# Altium PCB XTIDA-010086.PcbDoc (part 16 of 17)
Units mm, origin at the board's own origin, x right, y up, seen from the top; angles counter-clockwise.
Board outline 375 x 210 mm, 6 copper layers (Top Layer, GND Layer, Signal Layer 1, Signal Layer 2, Power Layer, Bottom Layer), stack 1.575 mm thick; 1884 components, 1036 nets, 4948 pads, 6791 vias.
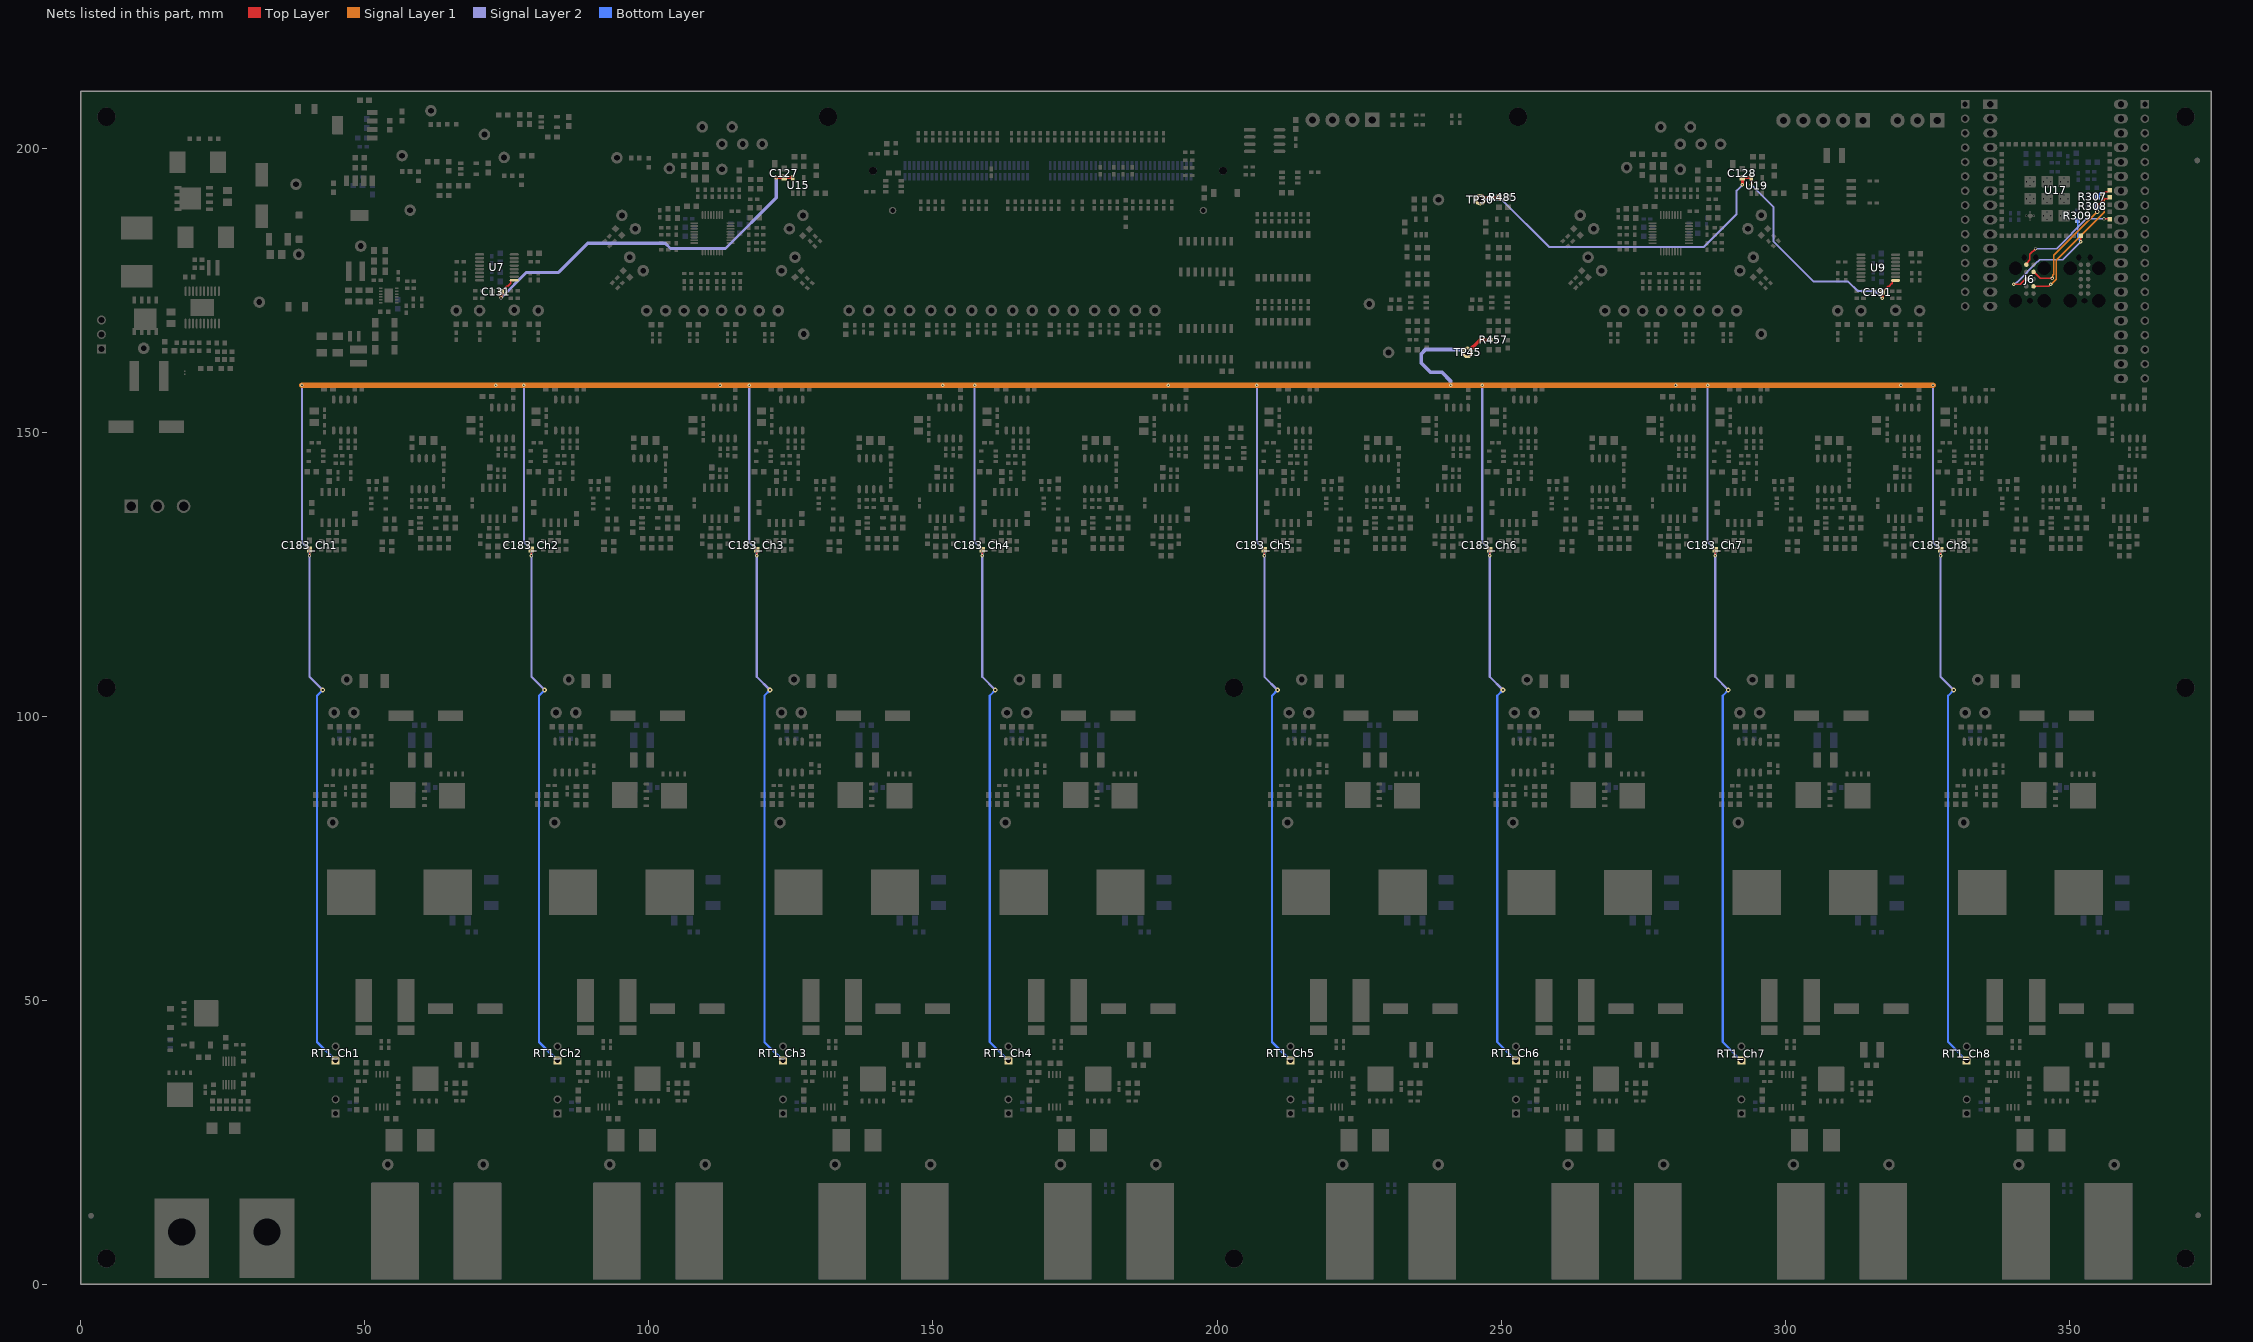
[diagram p20: the nets of this part, all layers, seen from the top]

## Via types
v1: diameter 0.813, hole 0.4, Top Layer to Bottom Layer, tented both sides, 4738 vias
v2: diameter 0.61, hole 0.3, Top Layer to Bottom Layer, tented both sides, 1254 vias
v3: diameter 0.813, hole 0.406, Top Layer to Bottom Layer, 728 vias
v4: diameter 0.5, hole 0.2, Top Layer to Bottom Layer, 40 vias
v5: diameter 5.45, hole 3.556, Top Layer to Bottom Layer, 16 vias
v6: diameter 5/3.65/3.65/3.65/3.65/5 (per signal layer), hole 3.2, Top Layer to Bottom Layer, 12 vias
v7: diameter 0.813, hole 0.4, Top Layer to Bottom Layer, 3 vias

## Nets (pads, with @x,y where several pads share a name; then routed paths per layer and width w, separated by ;. In a path a pad name is that pad's centre, name@x,y a point inside that pad or via, vN(x,y) a via of type N, cw(c..) or ccw(c..) an arc to the next point about the centre after c; other vN are vias at no path point) (continued)
Vref_2_50: C183_Ch1.2 C183_Ch2.2 C183_Ch3.2 C183_Ch4.2 C183_Ch5.2 C183_Ch6.2 C183_Ch7.2 C183_Ch8.2 R457.2 RT1_Ch1.1 RT1_Ch2.1 RT1_Ch3.1 RT1_Ch4.1 RT1_Ch5.1 RT1_Ch6.1 RT1_Ch7.1 RT1_Ch8.1 TP45.1 | length 1295.3
  Top Layer w0.254: v2(40.254,128.246) C183_Ch1.2@40.254,129.312 ; v2(79.319,128.244) C183_Ch2.2@79.319,129.31 ; v2(118.994,128.242) C183_Ch3.2@118.994,129.308 ; v2(158.669,128.24) C183_Ch4.2@158.669,129.306 ; v2(208.344,128.238) C183_Ch5.2@208.344,129.304 ; v2(248.019,128.236) C183_Ch6.2@248.019,129.302 ; v2(287.693,128.234) C183_Ch7.2@287.693,129.3 ; v2(327.368,128.232) C183_Ch8.2@327.368,129.298
  Top Layer w0.6: TP45.1@244.094,164.015 246.337,166.258 R457.2@248.147,166.258
  Signal Layer 1 w1: v2@38.92,158.217 73.025,158.217 77.986,158.217 v2(112.519,158.217) 117.66,158.217 v2(151.711,158.217) 157.335,158.217 191.42,158.217 207.01,158.217 v2(241.122,158.217) v2(280.721,158.217) v2(320.396,158.217) v2(326.034,158.217)
  Signal Layer 2 w0.381: v2(38.92,158.231) 38.92,130.595 40.254,129.262 v2(40.254,128.246) 40.254,106.913 v1(42.57,104.597) ; v2(77.986,158.229) 77.986,130.593 79.319,129.26 v2(79.319,128.244) 79.319,106.911 v1(81.636,104.595) ; v2(117.66,158.227) 117.66,130.591 118.994,129.258 v2(118.994,128.242) 118.994,106.909 v1(121.31,104.593) ; v2(157.335,158.225) 157.335,130.589 158.669,129.256 v2(158.669,128.24) 158.669,106.907 v1(160.985,104.591) ; v2(207.01,158.223) 207.01,130.587 208.344,129.254 v2(208.344,128.238) 208.344,106.905 v1(210.66,104.589) ; v2(246.685,158.221) 246.685,130.585 248.019,129.252 v2(248.019,128.236) 248.019,106.903 v1(250.335,104.587) ; v2(286.36,158.219) 286.36,130.583 287.693,129.25 v2(287.693,128.234) 287.693,106.901 v1(290.01,104.585) ; v2(326.034,158.217) 326.034,130.581 327.368,129.248 v2(327.368,128.232) 327.368,106.899 v1(329.684,104.583)
  Signal Layer 2 w0.7: v2(241.122,158.217) 241.122,159.004 239.598,160.528 237.566,160.528 235.951,162.143 235.951,163.75 236.728,164.527 243.582,164.527 TP45.1@244.094,164.015
  Bottom Layer w0.381: v1(42.57,104.597) 41.58,103.607 41.58,42.644 RT1_Ch1.1@44.856,39.368 ; v1(81.636,104.595) 80.645,103.605 80.645,42.642 RT1_Ch2.1@83.922,39.366 ; v1(121.31,104.593) 120.32,103.603 120.32,42.64 RT1_Ch3.1@123.596,39.364 ; v1(160.985,104.591) 159.995,103.601 159.995,42.638 RT1_Ch4.1@163.271,39.362 ; v1(210.66,104.589) 209.669,103.599 209.669,42.636 RT1_Ch5.1@212.946,39.36 ; v1(250.335,104.587) 249.344,103.597 249.344,42.634 RT1_Ch6.1@252.621,39.358 ; v1(290.01,104.585) 289.019,103.595 289.019,42.632 RT1_Ch7.1@292.296,39.356 ; v1(329.684,104.583) 328.694,103.593 328.694,42.63 RT1_Ch8.1@331.97,39.354
  other v2: 73.025,158.217 191.42,158.237
Vref_2_50_1: C127.2 C131.1 U7.9 U15.5 | length 67.6
  Top Layer w0.254: C131.1@73.962,174.669 73.987,174.669 74.368,175.05 74.368,175.075 74.988,175.695 75.146,175.695 75.549,176.098 75.688,176.098 75.688,176.621 75.779,176.712 U7.9@76.288,176.712
  Top Layer w0.508: C127.2@123.757,194.767 123.773,194.783 U15.5@125.347,194.783
  Top Layer w0.541: v2(73.962,173.602) C131.1@73.962,174.669 ; v2(122.411,194.767) 122.424,194.78 123.743,194.78 C127.2@123.757,194.767
  Signal Layer 2 w0.541: v2(73.962,173.602) 78.465,178.105 84.099,178.105 89.23,183.236 102.87,183.236 103.81,182.296 113.487,182.296 122.411,191.219 v2(122.411,194.767)
Vref_2_50_2: C128.2 C191.1 R485.1 TP30.1 U9.9 U19.5 | length 103.6
  Top Layer w0.254: C191.1@317.127,174.639 317.152,174.639 317.533,175.02 317.533,175.045 318.154,175.665 318.311,175.665 318.714,176.068 318.854,176.068 318.854,176.591 318.944,176.682 U9.9@319.454,176.682
  Top Layer w0.381: TP30.1@246.337,190.906 246.784,190.906 247.204,191.326 R485.1@249.624,191.326
  Top Layer w0.508: C128.2@292.456,194.759 C128.2@292.473,194.775 ; v2(292.473,193.531) C128.2@292.473,194.775 ; v2(294.046,193.531) U19.5@294.046,194.775 C128.2@292.473,194.775
  Top Layer w0.541: v2(317.127,173.572) C191.1@317.127,174.639
  Signal Layer 2 w0.381: TP30.1@246.337,190.906 250.139,190.906 258.47,182.575 285.668,182.575 291.467,188.375 291.467,192.464 292.473,193.469 v2(292.473,193.531) ; v2(294.046,193.531) 297.942,189.636 297.942,183.591 305.053,176.48 311.097,176.48 312.761,174.817 315.883,174.817 v2(317.127,173.572)
WIFI.JTAG_TCK: J6.4 R308.1 U17.21 | length 23.6
  Top Layer w0.254: J6.4@343.733,178.191 343.733,178.18 344.879,177.034 v2(347.02,177.034) ; v1(354.962,188.78) 354.975,188.793 354.975,189.832 356.172,191.029 356.874,191.029 U17.21@357.147,191.302
  Signal Layer 1 w0.254: v2(347.02,177.034) 347.088,177.102 347.088,177.607 347.269,177.787 347.269,181.086 v1(354.962,188.78)
  Bottom Layer w0.541: v1(354.962,188.78) R308.1@354.962,189.756
WIFI.JTAG_TDI: J6.8 R309.1 U17.12 | length 22.3
  Top Layer w0.254: v2(340.272,176.016) 341.411,176.016 J6.8@342.315,176.921 ; v2(352.048,183.512) U17.12@352.048,184.502
  Signal Layer 2 w0.254: v2(340.272,176.016) 340.368,176.016 340.749,176.397 340.871,176.397 344.425,179.951 344.436,179.951 344.85,180.365 348.901,180.365 v2(352.048,183.512)
  Bottom Layer w0.254: R309.1@351.473,187.272 351.473,184.183 352.048,183.608 v2(352.048,183.512)
WIFI.JTAG_TDO: J6.6 U17.18 | length 18.7
  Top Layer w0.254: J6.6@342.463,179.461 342.463,179.608 342.844,179.989 342.844,180.086 343.098,180.34 343.098,181.312 v2(344.082,182.296) ; v2(356.137,187.512) U17.18@357.127,187.512
  Signal Layer 2 w0.254: v2(344.082,182.296) 347.777,182.296 352.993,187.512 v2(356.137,187.512)
WIFI.JTAG_TMS: J6.2 R307.1 U17.22 | length 25.9
  Top Layer w0.254: J6.2@343.733,175.651 346.407,175.651 v2(346.773,176.016) ; v1(355.876,191.885) 356.028,191.885 356.441,192.299 356.874,192.299 U17.22@357.147,192.572
  Signal Layer 1 w0.254: v2(346.773,176.016) 346.828,176.016 347.726,176.914 347.726,180.238 356.137,188.65 356.137,191.132 355.983,191.286 355.983,191.779 v1(355.876,191.885)
  Bottom Layer w0.541: R307.1@354.962,191.376 355.585,191.999 355.698,191.885 v1(355.876,191.885)
pads on no net: FID1.1 FID2.1 FID3.1 FID4.1 FID5.1 FID6.1 H1.1 H2.1 H3.1 H4.1 H5.1 H6.1 H7.0 H8.0 H9.0 H10.0 H11.0 H12.0 H13.1 H14.1 H15.0 H16.0 H17.1 H18.0 H19.1 H20.0 J5. J5.2 J5.3 J5.4 J5.5 J5.6 J5.7 J5.8 J5.47 J5.51 J5.55 J5.76 J5.77 J5.78 J5.79 J5.80 J5.89 J5.95 J5.97 J5.113 J5.115 J5.116 J5.117 J5.118 J5.119 J5.120 J6. J6.7 J6.9 J7. J7.2 J7.4 LBL1.0 Q1_Ch1.9@56.282,84.681 Q1_Ch1.9@56.282,86.131 Q1_Ch1.9@56.282,87.581 Q1_Ch1.9@57.132,86.131 Q1_Ch1.9@58.062,84.681 Q1_Ch1.9@58.062,86.131 Q1_Ch1.9@58.062,87.581 Q1_Ch2.9@95.348,84.679 Q1_Ch2.9@95.348,86.129 Q1_Ch2.9@95.348,87.579 Q1_Ch2.9@96.198,86.129 Q1_Ch2.9@97.128,84.679 Q1_Ch2.9@97.128,86.129 Q1_Ch2.9@97.128,87.579 Q1_Ch3.9@135.022,84.677 Q1_Ch3.9@135.022,86.127 Q1_Ch3.9@135.022,87.577 Q1_Ch3.9@135.872,86.127 Q1_Ch3.9@136.802,84.677 Q1_Ch3.9@136.802,86.127 Q1_Ch3.9@136.802,87.577 Q1_Ch4.9@174.697,84.675 Q1_Ch4.9@174.697,86.125 Q1_Ch4.9@174.697,87.575 Q1_Ch4.9@175.547,86.125 Q1_Ch4.9@176.477,84.675 Q1_Ch4.9@176.477,86.125 Q1_Ch4.9@176.477,87.575 Q1_Ch5.9@224.372,84.673 Q1_Ch5.9@224.372,86.123 Q1_Ch5.9@224.372,87.573 Q1_Ch5.9@225.222,86.123 Q1_Ch5.9@226.152,84.673 Q1_Ch5.9@226.152,86.123 Q1_Ch5.9@226.152,87.573 Q1_Ch6.9@264.047,84.671 Q1_Ch6.9@264.047,86.121 Q1_Ch6.9@264.047,87.571 Q1_Ch6.9@264.897,86.121 Q1_Ch6.9@265.827,84.671 Q1_Ch6.9@265.827,86.121 Q1_Ch6.9@265.827,87.571 Q1_Ch7.9@303.722,84.669 Q1_Ch7.9@303.722,86.119 Q1_Ch7.9@303.722,87.569 Q1_Ch7.9@304.572,86.119 Q1_Ch7.9@305.502,84.669 Q1_Ch7.9@305.502,86.119 Q1_Ch7.9@305.502,87.569 Q1_Ch8.9@343.396,84.667 Q1_Ch8.9@343.396,86.117 Q1_Ch8.9@343.396,87.567 Q1_Ch8.9@344.246,86.117 Q1_Ch8.9@345.176,84.667 Q1_Ch8.9@345.176,86.117 Q1_Ch8.9@345.176,87.567 Q2.9@20.799,46.231 Q2.9@20.799,47.701 Q2.9@20.799,49.171 Q2.9@22.479,46.231 Q2.9@22.479,47.701 Q2.9@22.479,49.171 Q3.9@15.963,32.905 Q3.9@15.963,34.585 Q3.9@17.433,32.905 Q3.9@17.433,34.585 Q3.9@18.903,32.905 Q3.9@18.903,34.585 Q7_Ch1.9@63.879,85.596 Q7_Ch1.9@63.879,87.376 Q7_Ch1.9@65.329,85.596 Q7_Ch1.9@65.329,86.446 Q7_Ch1.9@65.329,87.376 Q7_Ch1.9@66.779,85.596 Q7_Ch1.9@66.779,87.376 Q7_Ch2.9@102.944,85.594 Q7_Ch2.9@102.944,87.374 Q7_Ch2.9@104.394,85.594 Q7_Ch2.9@104.394,86.444 Q7_Ch2.9@104.394,87.374 Q7_Ch2.9@105.844,85.594 Q7_Ch2.9@105.844,87.374 Q7_Ch3.9@142.619,85.592 Q7_Ch3.9@142.619,87.372 Q7_Ch3.9@144.069,85.592 Q7_Ch3.9@144.069,86.442 Q7_Ch3.9@144.069,87.372 Q7_Ch3.9@145.519,85.592 Q7_Ch3.9@145.519,87.372 Q7_Ch4.9@182.294,85.59 Q7_Ch4.9@182.294,87.37 Q7_Ch4.9@183.744,85.59 Q7_Ch4.9@183.744,86.44 Q7_Ch4.9@183.744,87.37 Q7_Ch4.9@185.194,85.59 Q7_Ch4.9@185.194,87.37 Q7_Ch5.9@231.968,85.588 Q7_Ch5.9@231.968,87.368 Q7_Ch5.9@233.418,85.588 Q7_Ch5.9@233.418,86.438 Q7_Ch5.9@233.418,87.368 Q7_Ch5.9@234.868,85.588 Q7_Ch5.9@234.868,87.368 Q7_Ch6.9@271.643,85.586 Q7_Ch6.9@271.643,87.366 Q7_Ch6.9@273.093,85.586 Q7_Ch6.9@273.093,86.436 Q7_Ch6.9@273.093,87.366 Q7_Ch6.9@274.543,85.586 Q7_Ch6.9@274.543,87.366 Q7_Ch7.9@311.318,85.584 Q7_Ch7.9@311.318,87.364 Q7_Ch7.9@312.768,85.584 Q7_Ch7.9@312.768,86.434 Q7_Ch7.9@312.768,87.364 Q7_Ch7.9@314.218,85.584 Q7_Ch7.9@314.218,87.364 Q7_Ch8.9@350.993,85.582 Q7_Ch8.9@350.993,87.362 Q7_Ch8.9@352.443,85.582 Q7_Ch8.9@352.443,86.432 Q7_Ch8.9@352.443,87.362 Q7_Ch8.9@353.893,85.582 Q7_Ch8.9@353.893,87.362 Q8_Ch1.9@59.211,34.874 Q8_Ch1.9@59.211,36.554 Q8_Ch1.9@60.681,34.874 Q8_Ch1.9@60.681,36.554 Q8_Ch1.9@62.151,34.874 Q8_Ch1.9@62.151,36.554 Q8_Ch2.9@98.276,34.872 Q8_Ch2.9@98.276,36.552 Q8_Ch2.9@99.746,34.872 Q8_Ch2.9@99.746,36.552 Q8_Ch2.9@101.216,34.872 Q8_Ch2.9@101.216,36.552 Q8_Ch3.9@137.951,34.87 Q8_Ch3.9@137.951,36.55 Q8_Ch3.9@139.421,34.87 Q8_Ch3.9@139.421,36.55 Q8_Ch3.9@140.891,34.87 Q8_Ch3.9@140.891,36.55 Q8_Ch4.9@177.625,34.868 Q8_Ch4.9@177.625,36.548 Q8_Ch4.9@179.095,34.868 Q8_Ch4.9@179.095,36.548 Q8_Ch4.9@180.565,34.868 Q8_Ch4.9@180.565,36.548 Q8_Ch5.9@227.3,34.866 Q8_Ch5.9@227.3,36.546 Q8_Ch5.9@228.77,34.866 Q8_Ch5.9@228.77,36.546 Q8_Ch5.9@230.24,34.866 Q8_Ch5.9@230.24,36.546 Q8_Ch6.9@266.975,34.864 Q8_Ch6.9@266.975,36.544 Q8_Ch6.9@268.445,34.864 Q8_Ch6.9@268.445,36.544 Q8_Ch6.9@269.915,34.864 Q8_Ch6.9@269.915,36.544 Q8_Ch7.9@306.65,34.862 Q8_Ch7.9@306.65,36.542 Q8_Ch7.9@308.12,34.862 Q8_Ch7.9@308.12,36.542 Q8_Ch7.9@309.59,34.862 Q8_Ch7.9@309.59,36.542 Q8_Ch8.9@346.325,34.86 Q8_Ch8.9@346.325,36.54 Q8_Ch8.9@347.795,34.86 Q8_Ch8.9@347.795,36.54 Q8_Ch8.9@349.265,34.86 Q8_Ch8.9@349.265,36.54 R58.1 R246.1 R248.1 S3.3 SH-J4.0 U8.4 U12.22 U13.4 U16.22 U17.3 U17.6 U17.7 U17.8 U17.9 U17.10 U17.11 U17.19 U17.20 U17.25 U17.26 U17.29 U17.31 U17.33 U17.36 U17.39 U17.41 U17.42 U17.44 U17.45 U17.46 U17.47 U17.48 U17.49 U17.50 U17.51 U17.52 U17.53 U17.54 U20.4 U21.13@54.204,173.38 U21.13@54.204,174.7 U22.2 U23.11 U26.14 U26.15 U27.14 U27.15 U31.2 U34.1
copper on no net:
  other v2: 280.751,137.402 360.1,137.398 327.584,156.606 248.234,156.61 287.909,156.608

## Polygon pours and split planes (outlines as drawn)
NetC9_Ch8_1 on Top Layer "NETC9_CH8_1_L01_P703" (solid, remove dead copper, pour order 703): 17 vertices, not listed, extent 342.638,33.641 354.602,56.222
NetC9_Ch7_1 on Top Layer "NETC9_CH7_1_L01_P702" (solid, remove dead copper, pour order 702): 17 vertices, not listed, extent 302.964,33.643 314.927,56.224
NetC9_Ch6_1 on Top Layer "NETC9_CH6_1_L01_P701" (solid, remove dead copper, pour order 701): 17 vertices, not listed, extent 263.289,33.645 275.252,56.226
NetC9_Ch5_1 on Top Layer "NETC9_CH5_1_L01_P700" (solid, remove dead copper, pour order 700): 17 vertices, not listed, extent 223.614,33.647 235.577,56.228
NetC9_Ch4_1 on Top Layer "NETC9_CH4_1_L01_P699" (solid, remove dead copper, pour order 699): 17 vertices, not listed, extent 173.939,33.649 185.903,56.23
NetC9_Ch3_1 on Top Layer "NETC9_CH3_1_L01_P698" (solid, remove dead copper, pour order 698): 17 vertices, not listed, extent 134.264,33.651 146.228,56.232
NetC9_Ch2_1 on Top Layer "NETC9_CH2_1_L01_P697" (solid, remove dead copper, pour order 697): 17 vertices, not listed, extent 94.59,33.653 106.553,56.234
PGND on Top Layer "PGND_L01_P679" (solid, remove dead copper, pour order 679): 39.37,208.432 39.37,192.245 37.389,190.264 37.389,149.581 33.506,145.698 16.908,145.698 14.379,143.095 14.275,126.467 1.956,126.467 0.965,127.457 0.965,207.95 2.057,209.042 38.76,209.042
AGND on Top Layer "AGND_L01_P673" (solid, remove dead copper, pour order 673): 68 vertices, not listed, extent 38.557,124.054 366.979,200.678
DGND on Top Layer "DGND_L01_P671" (solid, pour order 671): 72 vertices, not listed, extent 40.386,158.547 374.193,209.042
12V_IN on Top Layer "12V_IN_L01_P663" (solid, remove dead copper, pour order 663): 45 vertices, not listed, extent 4.699,135.23 47.828,171.874
DGND on Top Layer "DGND_L01_P646" (solid, remove dead copper, pour order 646): 17 vertices, not listed, extent 44.156,199.644 55.067,209.017
PGND on Top Layer "PGND_L01_P466" (solid, remove dead copper, pour order 466): 25 vertices, not listed, extent 347.562,0.85 364.948,107.479
NetC9_Ch1_1 on Top Layer "NETC9_CH1_1_L01_P450" (solid, remove dead copper, pour order 450): 17 vertices, not listed, extent 55.524,33.655 67.488,56.236
AGND on Top Layer "AGND_L01_P386" (solid, remove dead copper, pour order 386): 17.475,160.825 17.78,160.52 21.615,160.52 21.742,160.647 21.742,163.086 21.996,163.34 22.606,163.34 23.012,163.746 23.012,164.559 22.708,164.864 17.577,164.864 17.475,164.762
PGND on Top Layer "PGND_L01_P381" (solid, remove dead copper, pour order 381): 25 vertices, not listed, extent 25.222,0.965 39.522,86.538
NetD5_2 on Top Layer "NETD5_2_L01_P380" (solid, remove dead copper, pour order 380): 19 vertices, not listed, extent 1.6,36.195 19.837,52.299
12V_Out on Top Layer "12V_OUT_L01_P669" (solid, remove dead copper, pour order 669): 93 vertices, not listed, extent 11.43,42.824 346.253,139.319
-5V on Top Layer "-5V_L01_P665" (solid, remove dead copper, pour order 665): 50.592,184.175 48.606,184.175 47.879,183.449 47.879,181.686 48.971,180.594 48.971,176.497 49.116,176.352 51.968,176.352 52.019,176.403 52.019,177.546 52.121,177.648 52.121,182.647
PGND on Top Layer "PGND_L01_P465" (solid, remove dead copper, pour order 465): 25 vertices, not listed, extent 307.835,0.852 325.221,107.481
PGND on Top Layer "PGND_L01_P460" (solid, remove dead copper, pour order 460): 25 vertices, not listed, extent 268.18,0.854 285.566,107.483
PGND on Top Layer "PGND_L01_P459" (solid, remove dead copper, pour order 459): 25 vertices, not listed, extent 228.595,0.856 245.981,107.485
PGND on Top Layer "PGND_L01_P458" (solid, remove dead copper, pour order 458): 25 vertices, not listed, extent 178.929,0.858 196.316,107.487
PGND on Top Layer "PGND_L01_P457" (solid, remove dead copper, pour order 457): 25 vertices, not listed, extent 139.251,0.86 156.637,107.489
PGND on Top Layer "PGND_L01_P452" (solid, remove dead copper, pour order 452): 25 vertices, not listed, extent 99.543,0.862 116.929,107.491
AGND on Top Layer "AGND_L01_P661" (solid, remove dead copper, pour order 661): 35 vertices, not listed, extent 40.945,160.452 59.893,182.702
5V_D on Top Layer "5V_D_L01_P636" (solid, remove dead copper, pour order 636): 63.17,207.428 62.75,207.848 55.843,207.848 55.499,207.504 55.499,206.045 55.677,205.867 59.842,205.867 60.541,205.169 63.056,205.169 63.17,205.283
AGND on Top Layer "AGND_L01_P624" (solid, remove dead copper, pour order 624): 21 vertices, not listed, extent 43.713,187.111 54.889,197.079
DVDD on Top Layer "DVDD_L01_P366" (solid, remove dead copper, pour order 366): 216.738,188.154 216.535,187.951 206.774,187.951 206.578,188.146 206.578,189.856 206.731,190.008 216.614,190.008 216.738,189.884
DVDD on Top Layer "DVDD_L01_P365" (solid, remove dead copper, pour order 365): 216.738,172.796 216.535,172.593 206.774,172.593 206.578,172.789 206.578,174.498 206.731,174.65 216.614,174.65 216.738,174.527
PGND on Top Layer "PGND_L01_P451" (solid, remove dead copper, pour order 451): 25 vertices, not listed, extent 60.414,0.864 77.8,107.493
DGND on Top Layer "DGND_L01_P402" (solid, remove dead copper, pour order 402): 216.629,163.093 216.883,162.839 216.883,160.146 216.603,159.867 205.986,159.867 205.834,160.019 205.834,162.94 205.986,163.093
DGND on Top Layer "DGND_L01_P401" (solid, remove dead copper, pour order 401): 216.629,178.45 216.883,178.196 216.883,175.504 216.603,175.224 205.986,175.224 205.834,175.377 205.834,178.298 205.986,178.45
DVDD on Top Layer "DVDD_L01_P400" (solid, remove dead copper, pour order 400): 83.312,206.807 83.134,206.629 83.134,205.117 83.287,204.978 90.653,204.978 91.389,204.241 91.389,197.16 91.928,196.621 95.377,196.621 95.845,197.115 95.845,205.577 94.615,206.807
5V on Top Layer "5V_L01_P394" (solid, remove dead copper, pour order 394): 61.606,200.406 55.651,200.406 54.243,198.997 49.479,198.997 49.378,198.896 49.378,197.744 49.509,197.612 58.674,197.612 59.418,197.612 60.597,196.432 61.606,196.432
PGND on Top Layer "PGND_L01_P385" (solid, remove dead copper, pour order 385): 43 vertices, not listed, extent 13.246,149.243 33.782,192.118
NetF1_Ch8_2 on Top Layer "NETF1_CH8_2_L01_P695" (solid, remove dead copper, pour order 695): 17 vertices, not listed, extent 343.908,21.093 354.018,32.803
NetL2_Ch8_2 on Top Layer "NETL2_CH8_2_L01_P578" (solid, remove dead copper, pour order 578): 330.001,73.392 329.642,73.033 329.642,46.316 329.921,46.036 338.43,46.036 338.633,46.239 338.633,53.631 339.522,54.52 339.522,73.214 339.345,73.392
NetC3_Ch8_1 on Top Layer "NETC3_CH8_1_L01_P478" (solid, remove dead copper, pour order 478): 339.736,82.932 340.03,82.638 345.822,82.638 346.05,82.866 346.05,107.225 345.796,107.479 339.929,107.479 339.736,107.286
NetF1_Ch8_1 on Top Layer "NETF1_CH8_1_L01_P474" (solid, remove dead copper, pour order 474): 343.815,27.367 343.891,27.291 343.891,22.516 347.193,19.214 347.193,1.307 346.736,0.85 329.997,0.85 329.642,1.205 329.642,27.113 329.896,27.367
NetF1_Ch7_2 on Top Layer "NETF1_CH7_2_L01_P693" (solid, remove dead copper, pour order 693): 17 vertices, not listed, extent 304.234,21.095 314.343,32.805
NetL2_Ch7_2 on Top Layer "NETL2_CH7_2_L01_P572" (solid, remove dead copper, pour order 572): 290.274,73.394 289.915,73.035 289.915,46.318 290.194,46.038 298.703,46.038 298.907,46.241 298.907,53.633 299.796,54.522 299.796,73.216 299.618,73.394
NetC3_Ch7_1 on Top Layer "NETC3_CH7_1_L01_P477" (solid, remove dead copper, pour order 477): 300.01,82.934 300.304,82.64 306.095,82.64 306.323,82.868 306.323,107.227 306.069,107.481 300.202,107.481 300.01,107.288
NetF1_Ch7_1 on Top Layer "NETF1_CH7_1_L01_P473" (solid, remove dead copper, pour order 473): 304.088,27.369 304.164,27.293 304.164,22.518 307.466,19.216 307.466,1.309 307.009,0.852 290.271,0.852 289.915,1.207 289.915,27.115 290.169,27.369
NetF1_Ch6_2 on Top Layer "NETF1_CH6_2_L01_P691" (solid, remove dead copper, pour order 691): 17 vertices, not listed, extent 264.559,21.097 274.668,32.807
NetL2_Ch6_2 on Top Layer "NETL2_CH6_2_L01_P484" (solid, remove dead copper, pour order 484): 250.619,73.396 250.26,73.037 250.26,46.32 250.54,46.04 259.049,46.04 259.252,46.243 259.252,53.635 260.141,54.524 260.141,73.218 259.963,73.396
NetC3_Ch6_1 on Top Layer "NETC3_CH6_1_L01_P476" (solid, remove dead copper, pour order 476): 260.355,82.936 260.649,82.642 266.44,82.642 266.669,82.87 266.669,107.229 266.415,107.483 260.547,107.483 260.355,107.29
NetF1_Ch6_1 on Top Layer "NETF1_CH6_1_L01_P468" (solid, remove dead copper, pour order 468): 264.433,27.371 264.51,27.295 264.51,22.52 267.812,19.218 267.812,1.311 267.354,0.854 250.616,0.854 250.26,1.209 250.26,27.117 250.514,27.371
NetF1_Ch5_2 on Top Layer "NETF1_CH5_2_L01_P689" (solid, remove dead copper, pour order 689): 17 vertices, not listed, extent 224.884,21.099 234.993,32.809
NetL2_Ch5_2 on Top Layer "NETL2_CH5_2_L01_P483" (solid, remove dead copper, pour order 483): 211.034,73.398 210.675,73.039 210.675,46.322 210.955,46.042 219.464,46.042 219.667,46.245 219.667,53.637 220.556,54.526 220.556,73.22 220.378,73.398
NetC3_Ch5_1 on Top Layer "NETC3_CH5_1_L01_P475" (solid, remove dead copper, pour order 475): 220.77,82.938 221.064,82.644 226.855,82.644 227.084,82.872 227.084,107.231 226.83,107.485 220.962,107.485 220.77,107.292
NetF1_Ch5_1 on Top Layer "NETF1_CH5_1_L01_P467" (solid, remove dead copper, pour order 467): 224.849,27.373 224.925,27.297 224.925,22.522 228.227,19.22 228.227,1.313 227.77,0.856 211.031,0.856 210.675,1.211 210.675,27.119 210.929,27.373
NetF1_Ch4_2 on Top Layer "NETF1_CH4_2_L01_P687" (solid, remove dead copper, pour order 687): 17 vertices, not listed, extent 175.209,21.101 185.318,32.811
NetL2_Ch4_2 on Top Layer "NETL2_CH4_2_L01_P449" (solid, remove dead copper, pour order 449): 161.368,73.4 161.01,73.041 161.01,46.324 161.289,46.044 169.798,46.044 170.001,46.247 170.001,53.639 170.89,54.528 170.89,73.222 170.712,73.4
NetC3_Ch4_1 on Top Layer "NETC3_CH4_1_L01_P426" (solid, remove dead copper, pour order 426): 171.104,82.94 171.398,82.646 177.189,82.646 177.418,82.874 177.418,107.233 177.164,107.487 171.297,107.487 171.104,107.294
NetF1_Ch4_1 on Top Layer "NETF1_CH4_1_L01_P417" (solid, remove dead copper, pour order 417): 175.183,27.375 175.259,27.299 175.259,22.524 178.561,19.222 178.561,1.315 178.104,0.858 161.365,0.858 161.01,1.213 161.01,27.121 161.264,27.375
NetF1_Ch3_2 on Top Layer "NETF1_CH3_2_L01_P685" (solid, remove dead copper, pour order 685): 17 vertices, not listed, extent 135.534,21.182 145.644,32.891
NetL2_Ch3_2 on Top Layer "NETL2_CH3_2_L01_P441" (solid, remove dead copper, pour order 441): 121.69,73.402 121.331,73.043 121.331,46.326 121.61,46.046 130.119,46.046 130.322,46.249 130.322,53.641 131.211,54.53 131.211,73.224 131.034,73.402
NetC3_Ch3_1 on Top Layer "NETC3_CH3_1_L01_P425" (solid, remove dead copper, pour order 425): 131.425,82.942 131.719,82.648 137.511,82.648 137.739,82.876 137.739,107.235 137.485,107.489 131.618,107.489 131.425,107.296
NetF1_Ch3_1 on Top Layer "NETF1_CH3_1_L01_P409" (solid, remove dead copper, pour order 409): 135.504,27.377 135.58,27.301 135.58,22.526 138.882,19.224 138.882,1.317 138.425,0.86 121.686,0.86 121.331,1.215 121.331,27.123 121.585,27.377
NetF1_Ch2_2 on Top Layer "NETF1_CH2_2_L01_P683" (solid, remove dead copper, pour order 683): 17 vertices, not listed, extent 95.86,21.105 105.969,32.815
NetL2_Ch2_2 on Top Layer "NETL2_CH2_2_L01_P436" (solid, remove dead copper, pour order 436): 81.982,73.404 81.623,73.045 81.623,46.328 81.902,46.048 90.411,46.048 90.615,46.251 90.615,53.643 91.504,54.532 91.504,73.226 91.326,73.404
NetC3_Ch2_1 on Top Layer "NETC3_CH2_1_L01_P420" (solid, remove dead copper, pour order 420): 91.718,82.944 92.012,82.65 97.803,82.65 98.031,82.878 98.031,107.237 97.777,107.491 91.91,107.491 91.718,107.298
NetF1_Ch2_1 on Top Layer "NETF1_CH2_1_L01_P404" (solid, remove dead copper, pour order 404): 95.796,27.379 95.872,27.303 95.872,22.528 99.174,19.226 99.174,1.319 98.717,0.862 81.979,0.862 81.623,1.217 81.623,27.125 81.877,27.379
SW_Ch5 on Top Layer "SW_CH5_L01_P479" (solid, remove dead copper, pour order 479): 231.097,88.435 229.802,87.139 228.328,87.139 228.1,86.911 228.1,65.004 228.266,64.838 236.99,64.838 237.168,65.016 237.168,88.175 236.908,88.435
NetQ8_Ch8_4 on Top Layer "NETQ8_CH8_4_L01_P696" (solid, pour order 696): 349.567,32.803 349.42,32.656 349.42,31.853 349.849,31.424 353.303,31.424 353.628,31.748 353.628,32.539 353.364,32.803
NetQ8_Ch7_4 on Top Layer "NETQ8_CH7_4_L01_P694" (solid, pour order 694): 309.892,32.805 309.745,32.658 309.745,31.855 310.174,31.426 313.629,31.426 313.953,31.75 313.953,32.541 313.69,32.805
NetQ8_Ch6_4 on Top Layer "NETQ8_CH6_4_L01_P692" (solid, pour order 692): 270.218,32.807 270.071,32.66 270.071,31.857 270.499,31.428 273.954,31.428 274.278,31.752 274.278,32.543 274.015,32.807
NetQ8_Ch5_4 on Top Layer "NETQ8_CH5_4_L01_P690" (solid, pour order 690): 230.543,32.809 230.396,32.662 230.396,31.859 230.825,31.43 234.279,31.43 234.603,31.754 234.603,32.545 234.34,32.809
NetQ8_Ch4_4 on Top Layer "NETQ8_CH4_4_L01_P688" (solid, pour order 688): 180.868,32.811 180.721,32.664 180.721,31.861 181.15,31.432 184.604,31.432 184.928,31.756 184.928,32.547 184.665,32.811
NetQ8_Ch3_4 on Top Layer "NETQ8_CH3_4_L01_P686" (solid, pour order 686): 141.193,32.891 141.046,32.744 141.046,31.941 141.475,31.512 144.929,31.512 145.254,31.836 145.254,32.628 144.99,32.891
NetQ8_Ch2_4 on Top Layer "NETQ8_CH2_4_L01_P684" (solid, pour order 684): 101.518,32.815 101.371,32.668 101.371,31.865 101.8,31.436 105.255,31.436 105.579,31.76 105.579,32.551 105.316,32.815
NetQ8_Ch1_4 on Top Layer "NETQ8_CH1_4_L01_P682" (solid, pour order 682): 62.453,32.817 62.306,32.67 62.306,31.867 62.411,31.762 66.514,31.762 66.514,32.553 66.25,32.817
NetF1_Ch1_2 on Top Layer "NETF1_CH1_2_L01_P418" (solid, remove dead copper, pour order 418): 17 vertices, not listed, extent 56.794,21.107 66.904,32.817
NetC104_2 on Top Layer "NETC104_2_L01_P655" (solid, remove dead copper, pour order 655): 19 vertices, not listed, extent 46.152,174.422 53.162,180.492
NetC104_1 on Top Layer "NETC104_1_L01_P653" (solid, remove dead copper, pour order 653): 46.304,172.288 46.406,172.187 51.359,172.187 51.511,172.339 51.511,172.974 51.664,173.126 53.086,173.126 53.137,173.177 53.137,173.457 53.086,173.507 46.38,173.507 46.304,173.431
NetC152_1 on Top Layer "NETC152_1_L01_P651" (solid, remove dead copper, pour order 651): 23 vertices, not listed, extent 47.295,163.627 53.086,172.923
NetC141_1 on Top Layer "NETC141_1_L01_P634" (solid, remove dead copper, pour order 634): 57.261,205.185 57.261,204.352 57.099,204.191 50.317,204.191 50.165,204.343 50.165,205.308 57.137,205.308
10V on Top Layer "10V_L01_P630" (solid, remove dead copper, pour order 630): 50.14,208.849 50.332,209.042 53.213,209.042 53.434,208.821 53.434,206.037 53.213,205.816 50.241,205.816 50.14,205.918
NetC108_1 on Top Layer "NETC108_1_L01_P620" (solid, remove dead copper, pour order 620): 47.701,198.756 47.827,198.882 48.793,198.882 48.895,198.78 48.895,193.294 48.768,193.167 47.828,193.167 47.701,193.294
NetC138_1 on Top Layer "NETC138_1_L01_P584" (solid, remove dead copper, pour order 584): 79.945,206.541 81.571,206.541 81.737,206.375 81.737,205.283 81.661,205.207 79.959,205.207 74.764,205.207 74.625,205.345 74.625,206.375 74.791,206.541
SW_Ch8 on Top Layer "SW_CH8_L01_P482" (solid, remove dead copper, pour order 482): 350.063,88.429 348.768,87.133 347.295,87.133 347.066,86.905 347.066,64.998 347.232,64.832 355.956,64.832 356.134,65.01 356.134,88.169 355.874,88.429
SW_Ch7 on Top Layer "SW_CH7_L01_P481" (solid, remove dead copper, pour order 481): 310.337,88.431 309.041,87.135 307.568,87.135 307.339,86.907 307.339,65 307.505,64.834 316.229,64.834 316.407,65.012 316.407,88.171 316.147,88.431
SW_Ch6 on Top Layer "SW_CH6_L01_P480" (solid, remove dead copper, pour order 480): 270.682,88.433 269.386,87.137 267.913,87.137 267.685,86.909 267.685,65.002 267.85,64.836 276.575,64.836 276.752,65.014 276.752,88.173 276.492,88.433
SW_Ch4 on Top Layer "SW_CH4_L01_P434" (solid, remove dead copper, pour order 434): 181.431,88.437 180.136,87.141 178.663,87.141 178.434,86.913 178.434,65.006 178.6,64.84 187.324,64.84 187.502,65.018 187.502,88.177 187.242,88.437
SW_Ch3 on Top Layer "SW_CH3_L01_P433" (solid, remove dead copper, pour order 433): 141.752,88.439 140.457,87.143 138.984,87.143 138.755,86.915 138.755,65.008 138.921,64.842 147.645,64.842 147.823,65.02 147.823,88.179 147.563,88.439
SW_Ch2 on Top Layer "SW_CH2_L01_P428" (solid, remove dead copper, pour order 428): 102.045,88.441 100.749,87.145 99.276,87.145 99.047,86.917 99.047,65.01 99.213,64.844 107.937,64.844 108.115,65.022 108.115,88.181 107.855,88.441
NetL2_Ch1_2 on Top Layer "NETL2_CH1_2_L01_P435" (solid, remove dead copper, pour order 435): 42.853,73.406 42.494,73.047 42.494,46.33 42.774,46.05 51.283,46.05 51.486,46.253 51.486,53.645 52.375,54.534 52.375,73.228 52.197,73.406
SW_Ch1 on Top Layer "SW_CH1_L01_P427" (solid, remove dead copper, pour order 427): 62.916,88.443 61.62,87.147 60.147,87.147 59.919,86.919 59.919,65.012 60.084,64.846 68.809,64.846 68.986,65.024 68.986,88.183 68.726,88.443
NetC3_Ch1_1 on Top Layer "NETC3_CH1_1_L01_P419" (solid, remove dead copper, pour order 419): 52.589,82.946 52.883,82.652 58.674,82.652 58.903,82.88 58.903,107.239 58.649,107.493 52.781,107.493 52.589,107.3
NetF1_Ch1_1 on Top Layer "NETF1_CH1_1_L01_P403" (solid, remove dead copper, pour order 403): 56.667,27.381 56.744,27.305 56.744,22.53 60.046,19.228 60.046,1.321 59.588,0.864 42.85,0.864 42.494,1.219 42.494,27.127 42.748,27.381
AVDD on Top Layer "AVDD_L01_P399" (solid, remove dead copper, pour order 399): 75.804,196.727 78.021,196.727 78.242,196.948 78.242,200.189 77.996,200.435 69.454,200.435 68.997,199.978 68.997,196.986 69.256,196.727
NetC102_1 on Top Layer "NETC102_1_L01_P395" (solid, remove dead copper, pour order 395): 62.277,196.981 62.139,197.12 62.139,198.149 62.305,198.316 67.459,198.316 67.549,198.226 67.549,197.057 67.473,196.981
10V on Top Layer "10V_L01_P393" (solid, remove dead copper, pour order 393): 19 vertices, not listed, extent 34.595,180.022 47.219,195.275
10V_Gate on Top Layer "10V_GATE_L01_P391" (solid, remove dead copper, pour order 391): 24.041,169.931 24.232,170.122 27.559,170.122 28.042,169.639 28.042,163.892 27.94,163.791 26.201,163.791 26.162,163.83 26.162,167.603 25.794,167.971 24.414,167.971 24.041,168.344
10V_Gate on Top Layer "10V_GATE_L01_P390" (solid, remove dead copper, pour order 390): 18 vertices, not listed, extent 22.606,187.325 39.37,200.017
NetD10_2 on Top Layer "NETD10_2_L01_P384" (solid, remove dead copper, pour order 384): 23.622,179.723 23.622,186.327 23.978,186.682 26.924,186.682 27.102,186.505 27.102,177.691 26.899,177.488 23.739,177.488 23.638,177.589 23.622,177.605
NetD9_2 on Top Layer "NETD9_2_L01_P383" (solid, remove dead copper, pour order 383): 17 vertices, not listed, extent 6.756,183.888 21.234,200.322
NetC112_1 on Top Layer "NETC112_1_L01_P382" (solid, remove dead copper, pour order 382): 25 vertices, not listed, extent 6.756,172.56 20.091,186.682
NetD5_1 on Top Layer "NETD5_1_L01_P378" (solid, remove dead copper, pour order 378): 14.228,45.745 14.072,45.589 14.072,42.723 14.275,42.52 16.535,42.52 16.637,42.621 16.637,45.669 16.561,45.745
NetD6_2 on Top Layer "NETD6_2_L01_P376" (solid, remove dead copper, pour order 376): 17 vertices, not listed, extent 17.45,38.913 21.26,46.076
NetD6_1 on Top Layer "NETD6_1_L01_P373" (solid, remove dead copper, pour order 373): 17 vertices, not listed, extent 21.92,38.354 25.222,43.18
NetD7_1 on Top Layer "NETD7_1_L01_P371" (solid, remove dead copper, pour order 371): 20.701,36.855 20.523,36.678 20.523,34.722 20.828,34.417 22.327,34.417 22.454,34.544 22.454,35.81 22.584,35.941 23.851,35.941 23.927,36.017 23.927,36.806 23.878,36.855
12VP on Top Layer "12VP_L01_P369" (solid, remove dead copper, pour order 369): 24 vertices, not listed, extent 9.576,0.965 24.308,35.535
AGND on Bottom Layer "AGND_L06_P706" (solid, remove dead copper, pour order 706): 68 vertices, not listed, extent 38.557,124.054 366.979,200.678
DGND on Bottom Layer "DGND_L06_P705" (solid, remove dead copper, pour order 705): 69 vertices, not listed, extent -2168.75,158.445 374.193,209.042
PGND on Bottom Layer "PGND_L06_P681" (solid, remove dead copper, pour order 681): 39.37,208.432 39.37,192.245 37.389,190.264 37.389,130.124 33.731,126.467 1.956,126.467 0.965,127.457 0.965,207.95 2.057,209.042 38.76,209.042
NetD5_2 on Bottom Layer "NETD5_2_L06_P582" (solid, remove dead copper, pour order 582): 20 vertices, not listed, extent 1.6,36.195 19.837,52.299
NetC9_Ch2_1 on Bottom Layer "NETC9_CH2_1_L06_P446" (solid, remove dead copper, pour order 446): 17 vertices, not listed, extent 94.679,36.65 106.642,56.234
12V_Out on Bottom Layer "12V_OUT_L06_P554" (solid, remove dead copper, pour order 554): 86 vertices, not listed, extent 13.589,42.824 346.202,123.419
NetC9_Ch8_1 on Bottom Layer "NETC9_CH8_1_L06_P512" (solid, remove dead copper, pour order 512): 17 vertices, not listed, extent 342.682,36.634 354.646,56.217
NetC9_Ch7_1 on Bottom Layer "NETC9_CH7_1_L06_P511" (solid, remove dead copper, pour order 511): 17 vertices, not listed, extent 302.948,36.641 314.912,56.224
NetC9_Ch6_1 on Bottom Layer "NETC9_CH6_1_L06_P510" (solid, remove dead copper, pour order 510): 17 vertices, not listed, extent 263.263,36.644 275.226,56.227
NetC9_Ch5_1 on Bottom Layer "NETC9_CH5_1_L06_P509" (solid, remove dead copper, pour order 509): 17 vertices, not listed, extent 223.698,36.644 235.661,56.228
NetC9_Ch4_1 on Bottom Layer "NETC9_CH4_1_L06_P448" (solid, remove dead copper, pour order 448): 17 vertices, not listed, extent 174.045,36.647 186.008,56.23
NetC9_Ch3_1 on Bottom Layer "NETC9_CH3_1_L06_P447" (solid, remove dead copper, pour order 447): 17 vertices, not listed, extent 134.366,36.648 146.329,56.232
PGND on Bottom Layer "PGND_L06_P464" (solid, remove dead copper, pour order 464): 25 vertices, not listed, extent 347.572,0.845 364.958,107.474
PGND on Bottom Layer "PGND_L06_P463" (solid, remove dead copper, pour order 463): 25 vertices, not listed, extent 307.838,0.852 325.224,107.482
PGND on Bottom Layer "PGND_L06_P462" (solid, remove dead copper, pour order 462): 25 vertices, not listed, extent 268.153,0.855 285.539,107.484
PGND on Bottom Layer "PGND_L06_P461" (solid, remove dead copper, pour order 461): 25 vertices, not listed, extent 228.588,0.856 245.974,107.485
PGND on Bottom Layer "PGND_L06_P456" (solid, remove dead copper, pour order 456): 25 vertices, not listed, extent 178.934,0.858 196.321,107.488
PGND on Bottom Layer "PGND_L06_P455" (solid, remove dead copper, pour order 455): 25 vertices, not listed, extent 139.256,0.86 156.642,107.489
PGND on Bottom Layer "PGND_L06_P454" (solid, remove dead copper, pour order 454): 25 vertices, not listed, extent 99.568,0.862 116.954,107.491
AGND on Bottom Layer "AGND_L06_P568" (solid, remove dead copper, pour order 568): 36.5,164.592 38.557,166.649 38.557,174.498 38.786,174.727 42.176,174.727 42.621,174.281 42.621,161.636 41.453,160.468 17.459,160.468 17.043,160.884 17.043,163.932 17.704,164.592
PGND on Bottom Layer "PGND_L06_P544" (solid, remove dead copper, pour order 544): 25 vertices, not listed, extent 25.222,0.965 39.522,86.538
PGND on Bottom Layer "PGND_L06_P453" (solid, remove dead copper, pour order 453): 25 vertices, not listed, extent 60.414,0.864 77.8,107.493
NetC9_Ch1_1 on Bottom Layer "NETC9_CH1_1_L06_P445" (solid, remove dead copper, pour order 445): 17 vertices, not listed, extent 55.524,36.652 67.488,56.236
NetL2_Ch8_2 on Bottom Layer "NETL2_CH8_2_L06_P508" (solid, remove dead copper, pour order 508): 330.011,73.388 329.652,73.029 329.652,46.311 329.932,46.032 338.441,46.032 338.644,46.235 338.644,53.626 339.533,54.515 339.533,73.21 339.355,73.388
NetC3_Ch8_1 on Bottom Layer "NETC3_CH8_1_L06_P500" (solid, remove dead copper, pour order 500): 339.747,82.927 340.041,82.633 345.832,82.633 346.061,82.862 346.061,107.22 345.807,107.474 339.939,107.474 339.747,107.282
NetF1_Ch8_2 on Bottom Layer "NETF1_CH8_2_L06_P496" (solid, remove dead copper, pour order 496): 343.952,28.43 344.181,28.201 345.832,28.201 346.111,27.922 346.111,21.902 346.924,21.089 353.731,21.089 354.062,21.419 354.062,32.544 353.807,32.798 344.333,32.798 343.952,32.417
NetF1_Ch8_1 on Bottom Layer "NETF1_CH8_1_L06_P492" (solid, remove dead copper, pour order 492): 343.825,27.363 343.902,27.287 343.902,22.511 347.204,19.209 347.204,1.302 346.746,0.845 330.008,0.845 329.652,1.201 329.652,27.109 329.906,27.363
NetL2_Ch7_2 on Bottom Layer "NETL2_CH7_2_L06_P507" (solid, remove dead copper, pour order 507): 290.277,73.395 289.918,73.036 289.918,46.318 290.198,46.039 298.707,46.039 298.91,46.242 298.91,53.634 299.799,54.523 299.799,73.217 299.621,73.395
NetC3_Ch7_1 on Bottom Layer "NETC3_CH7_1_L06_P499" (solid, remove dead copper, pour order 499): 300.013,82.934 300.307,82.64 306.098,82.64 306.327,82.869 306.327,107.228 306.073,107.482 300.205,107.482 300.013,107.289
NetF1_Ch7_2 on Bottom Layer "NETF1_CH7_2_L06_P495" (solid, remove dead copper, pour order 495): 304.218,28.437 304.447,28.208 306.098,28.208 306.377,27.929 306.377,21.909 307.19,21.096 313.997,21.096 314.328,21.426 314.328,32.552 314.074,32.806 304.599,32.806 304.218,32.425
NetF1_Ch7_1 on Bottom Layer "NETF1_CH7_1_L06_P491" (solid, remove dead copper, pour order 491): 304.091,27.37 304.168,27.294 304.168,22.519 307.47,19.217 307.47,1.31 307.012,0.852 290.274,0.852 289.918,1.208 289.918,27.116 290.172,27.37
NetL2_Ch6_2 on Bottom Layer "NETL2_CH6_2_L06_P506" (solid, remove dead copper, pour order 506): 250.592,73.397 250.233,73.039 250.233,46.321 250.512,46.042 259.021,46.042 259.224,46.245 259.224,53.636 260.113,54.525 260.113,73.22 259.936,73.397
NetC3_Ch6_1 on Bottom Layer "NETC3_CH6_1_L06_P498" (solid, remove dead copper, pour order 498): 260.327,82.937 260.621,82.643 266.413,82.643 266.641,82.872 266.641,107.23 266.387,107.484 260.52,107.484 260.327,107.292
NetF1_Ch6_2 on Bottom Layer "NETF1_CH6_2_L06_P494" (solid, remove dead copper, pour order 494): 264.533,28.439 264.762,28.211 266.413,28.211 266.692,27.931 266.692,21.912 267.505,21.099 274.312,21.099 274.642,21.429 274.642,32.554 274.388,32.808 264.914,32.808 264.533,32.427
NetF1_Ch6_1 on Bottom Layer "NETF1_CH6_1_L06_P490" (solid, remove dead copper, pour order 490): 264.406,27.373 264.482,27.296 264.482,22.521 267.784,19.219 267.784,1.312 267.327,0.855 250.588,0.855 250.233,1.211 250.233,27.119 250.487,27.373
NetL2_Ch5_2 on Bottom Layer "NETL2_CH5_2_L06_P505" (solid, remove dead copper, pour order 505): 211.027,73.398 210.668,73.039 210.668,46.322 210.947,46.042 219.456,46.042 219.659,46.245 219.659,53.637 220.548,54.526 220.548,73.22 220.371,73.398
NetC3_Ch5_1 on Bottom Layer "NETC3_CH5_1_L06_P497" (solid, remove dead copper, pour order 497): 220.762,82.938 221.056,82.644 226.848,82.644 227.076,82.872 227.076,107.231 226.822,107.485 220.955,107.485 220.762,107.292
NetF1_Ch5_2 on Bottom Layer "NETF1_CH5_2_L06_P493" (solid, remove dead copper, pour order 493): 224.968,28.44 225.197,28.211 226.848,28.211 227.127,27.932 227.127,21.912 227.94,21.099 234.747,21.099 235.077,21.43 235.077,32.555 234.823,32.809 225.349,32.809 224.968,32.428
NetF1_Ch5_1 on Bottom Layer "NETF1_CH5_1_L06_P489" (solid, remove dead copper, pour order 489): 224.841,27.373 224.917,27.297 224.917,22.522 228.219,19.22 228.219,1.313 227.762,0.856 211.023,0.856 210.668,1.211 210.668,27.119 210.922,27.373
NetL2_Ch4_2 on Bottom Layer "NETL2_CH4_2_L06_P440" (solid, remove dead copper, pour order 440): 161.374,73.401 161.015,73.042 161.015,46.324 161.294,46.045 169.803,46.045 170.006,46.248 170.006,53.64 170.895,54.529 170.895,73.223 170.717,73.401
NetC3_Ch4_1 on Bottom Layer "NETC3_CH4_1_L06_P424" (solid, remove dead copper, pour order 424): 171.109,82.94 171.403,82.646 177.194,82.646 177.423,82.875 177.423,107.234 177.169,107.488 171.302,107.488 171.109,107.295
NetF1_Ch4_2 on Bottom Layer "NETF1_CH4_2_L06_P416" (solid, remove dead copper, pour order 416): 175.315,28.443 175.543,28.214 177.194,28.214 177.474,27.935 177.474,21.915 178.287,21.102 185.094,21.102 185.424,21.432 185.424,32.558 185.17,32.812 175.696,32.812 175.315,32.431
NetF1_Ch4_1 on Bottom Layer "NETF1_CH4_1_L06_P408" (solid, remove dead copper, pour order 408): 175.188,27.376 175.264,27.3 175.264,22.525 178.566,19.223 178.566,1.316 178.109,0.858 161.37,0.858 161.015,1.214 161.015,27.122 161.269,27.376
NetL2_Ch3_2 on Bottom Layer "NETL2_CH3_2_L06_P439" (solid, remove dead copper, pour order 439): 121.695,73.402 121.336,73.043 121.336,46.326 121.615,46.046 130.124,46.046 130.327,46.249 130.327,53.641 131.216,54.53 131.216,73.224 131.039,73.402
NetC3_Ch3_1 on Bottom Layer "NETC3_CH3_1_L06_P423" (solid, remove dead copper, pour order 423): 131.43,82.942 131.724,82.648 137.516,82.648 137.744,82.876 137.744,107.235 137.49,107.489 131.623,107.489 131.43,107.296
NetF1_Ch3_2 on Bottom Layer "NETF1_CH3_2_L06_P415" (solid, remove dead copper, pour order 415): 135.636,28.444 135.865,28.215 137.516,28.215 137.795,27.936 137.795,21.916 138.608,21.103 145.415,21.103 145.745,21.434 145.745,32.559 145.491,32.813 136.017,32.813 135.636,32.432
NetF1_Ch3_1 on Bottom Layer "NETF1_CH3_1_L06_P407" (solid, remove dead copper, pour order 407): 135.509,27.377 135.585,27.301 135.585,22.526 138.887,19.224 138.887,1.317 138.43,0.86 121.691,0.86 121.336,1.215 121.336,27.123 121.59,27.377
NetL2_Ch2_2 on Bottom Layer "NETL2_CH2_2_L06_P438" (solid, remove dead copper, pour order 438): 82.007,73.404 81.648,73.045 81.648,46.328 81.928,46.048 90.437,46.048 90.64,46.251 90.64,53.643 91.529,54.532 91.529,73.226 91.351,73.404
NetC3_Ch2_1 on Bottom Layer "NETC3_CH2_1_L06_P422" (solid, remove dead copper, pour order 422): 91.743,82.944 92.037,82.65 97.828,82.65 98.057,82.878 98.057,107.237 97.803,107.491 91.935,107.491 91.743,107.298
NetF1_Ch2_2 on Bottom Layer "NETF1_CH2_2_L06_P414" (solid, remove dead copper, pour order 414): 96.469,28.446 96.698,28.217 98.349,28.217 98.628,27.938 98.628,21.918 99.441,21.105 106.248,21.105 106.578,21.436 106.578,32.561 106.324,32.815 96.85,32.815 96.469,32.434
NetF1_Ch2_1 on Bottom Layer "NETF1_CH2_1_L06_P406" (solid, remove dead copper, pour order 406): 95.822,27.379 95.898,27.303 95.898,22.528 99.2,19.226 99.2,1.319 98.743,0.862 82.004,0.862 81.648,1.217 81.648,27.125 81.902,27.379
NetF1_Ch1_2 on Bottom Layer "NETF1_CH1_2_L06_P413" (solid, remove dead copper, pour order 413): 56.794,28.448 57.023,28.219 58.674,28.219 58.953,27.94 58.953,21.92 59.766,21.107 66.573,21.107 66.904,21.438 66.904,32.563 66.65,32.817 57.175,32.817 56.794,32.436
12VP on Bottom Layer "12VP_L06_P556" (solid, remove dead copper, pour order 556): 18 vertices, not listed, extent 9.576,0.965 24.308,35.535
SW_Ch8 on Bottom Layer "SW_CH8_L06_P504" (solid, remove dead copper, pour order 504): 21 vertices, not listed, extent 347.077,62.923 356.144,88.424
SW_Ch7 on Bottom Layer "SW_CH7_L06_P503" (solid, remove dead copper, pour order 503): 21 vertices, not listed, extent 307.343,62.93 316.41,88.432
SW_Ch6 on Bottom Layer "SW_CH6_L06_P502" (solid, remove dead copper, pour order 502): 21 vertices, not listed, extent 267.657,62.933 276.725,88.434
SW_Ch5 on Bottom Layer "SW_CH5_L06_P501" (solid, remove dead copper, pour order 501): 21 vertices, not listed, extent 228.092,62.933 237.16,88.435
SW_Ch4 on Bottom Layer "SW_CH4_L06_P432" (solid, remove dead copper, pour order 432): 21 vertices, not listed, extent 178.439,62.936 187.507,88.438
SW_Ch3 on Bottom Layer "SW_CH3_L06_P431" (solid, remove dead copper, pour order 431): 21 vertices, not listed, extent 138.76,62.937 147.828,88.439
SW_Ch2 on Bottom Layer "SW_CH2_L06_P430" (solid, remove dead copper, pour order 430): 21 vertices, not listed, extent 99.073,62.939 108.141,88.441
NetL2_Ch1_2 on Bottom Layer "NETL2_CH1_2_L06_P437" (solid, remove dead copper, pour order 437): 42.853,73.406 42.494,73.047 42.494,46.33 42.774,46.05 51.283,46.05 51.486,46.253 51.486,53.645 52.375,54.534 52.375,73.228 52.197,73.406
SW_Ch1 on Bottom Layer "SW_CH1_L06_P429" (solid, remove dead copper, pour order 429): 21 vertices, not listed, extent 59.919,62.941 68.986,88.443
NetC3_Ch1_1 on Bottom Layer "NETC3_CH1_1_L06_P421" (solid, remove dead copper, pour order 421): 52.589,82.946 52.883,82.652 58.674,82.652 58.903,82.88 58.903,107.239 58.649,107.493 52.781,107.493 52.589,107.3
NetF1_Ch1_1 on Bottom Layer "NETF1_CH1_1_L06_P405" (solid, remove dead copper, pour order 405): 56.667,27.381 56.744,27.305 56.744,22.53 60.046,19.228 60.046,1.321 59.588,0.864 42.85,0.864 42.494,1.219 42.494,27.127 42.748,27.381
10V_Gate on Bottom Layer "10V_GATE_L06_P388" (solid, remove dead copper, pour order 388): 39.319,194.843 38.837,195.326 29.232,195.326 24.689,190.696 24.689,167.886 25.044,167.531 27.838,167.531 28.042,167.734 28.042,188.003 31.665,191.627 38.515,191.627 39.319,192.43
NetD7_1 on Bottom Layer "NETD7_1_L06_P368" (solid, remove dead copper, pour order 368): 22.327,34.417 22.327,34.464 22.758,34.896 22.758,36.652 22.555,36.855 20.701,36.855 20.523,36.678 20.523,34.722 20.828,34.417
DGND on GND Layer "DGND_L02_P570" (solid, remove dead copper, pour order 570): 71 vertices, not listed, extent 40.056,158.84 372.466,209.042
AGND on GND Layer "AGND_L02_P566" (solid, remove dead copper, pour order 566): 72 vertices, not listed, extent 38.347,123.893 372.662,200.194
PGND on GND Layer "PGND_L02_P564" (solid, remove dead copper, pour order 564): 86 vertices, not listed, extent 0.965,0.85 372.542,209.042
12V_Out on GND Layer "12V_OUT_L02_P550" (solid, remove dead copper, pour order 550): 82 vertices, not listed, extent 13.589,42.824 338.28,123.419
PGND on GND Layer "PGND_L02_P532" (solid, remove dead copper, pour order 532): 31 vertices, not listed, extent 21.692,0.965 39.522,86.538
12VP on GND Layer "12VP_L02_P562" (solid, remove dead copper, pour order 562): 24 vertices, not listed, extent 9.576,0.965 24.308,35.535
AVDD on Power Layer "AVDD_L05_P708" (solid, remove dead copper, pour order 708): 63 vertices, not listed, extent 38.132,139.356 367.03,200.678
DVDD on Power Layer "DVDD_L05_P707" (solid, remove dead copper, pour order 707): 63 vertices, not listed, extent 40.386,160.007 357.529,209.042
PGND on Power Layer "PGND_L05_P704" (solid, remove dead copper, pour order 704): 86 vertices, not listed, extent 0.965,0.85 372.542,209.042
-5V on Power Layer "-5V_L05_P709" (solid, remove dead copper, pour order 709): 367.03,138.659 367.03,128.702 365.227,126.898 39.192,126.898 36.703,129.388 36.703,138.659
12V_Out on Power Layer "12V_OUT_L05_P558" (solid, remove dead copper, pour order 558): 82 vertices, not listed, extent 13.589,42.824 338.28,123.419
PGND on Power Layer "PGND_L05_P552" (solid, remove dead copper, pour order 552): 31 vertices, not listed, extent 21.692,0.965 39.522,86.538
12VP on Power Layer "12VP_L05_P586" (solid, remove dead copper, pour order 586): 24 vertices, not listed, extent 9.576,0.965 24.308,35.535
12V_Out on Bottom Solder "12V_OUT_L01_P518" (solid): 82 vertices, not listed, extent 13.589,42.824 338.28,123.419
PGND on Signal Layer 2 "PGND_L04_P592" (solid, remove dead copper, pour order 592): 86 vertices, not listed, extent 0.965,0.85 372.542,209.042
5V on Signal Layer 2 "5V_L04_P710" (solid, pour order 710): 230.193,170.772 232.004,168.961 250.622,168.961 252.425,170.764 252.425,187.249 250.368,189.306 232.195,189.306 230.193,187.304
12V_Out on Top Solder "12V_OUT_L01_P518" (solid, pour order 362): 78 vertices, not listed, extent 13.589,49.835 346.354,123.419
PGND on Signal Layer 1 "PGND_L03_P590" (solid, remove dead copper, pour order 590): 86 vertices, not listed, extent 0.965,0.85 372.542,209.042

## Keep-outs
Keep-Out Layer:
  the board outline again, w0.254
  text ".Layer_Name" at -10.09,-30.717 h1.52